# KiCad board ElonMux.kicad_pcb (continued)
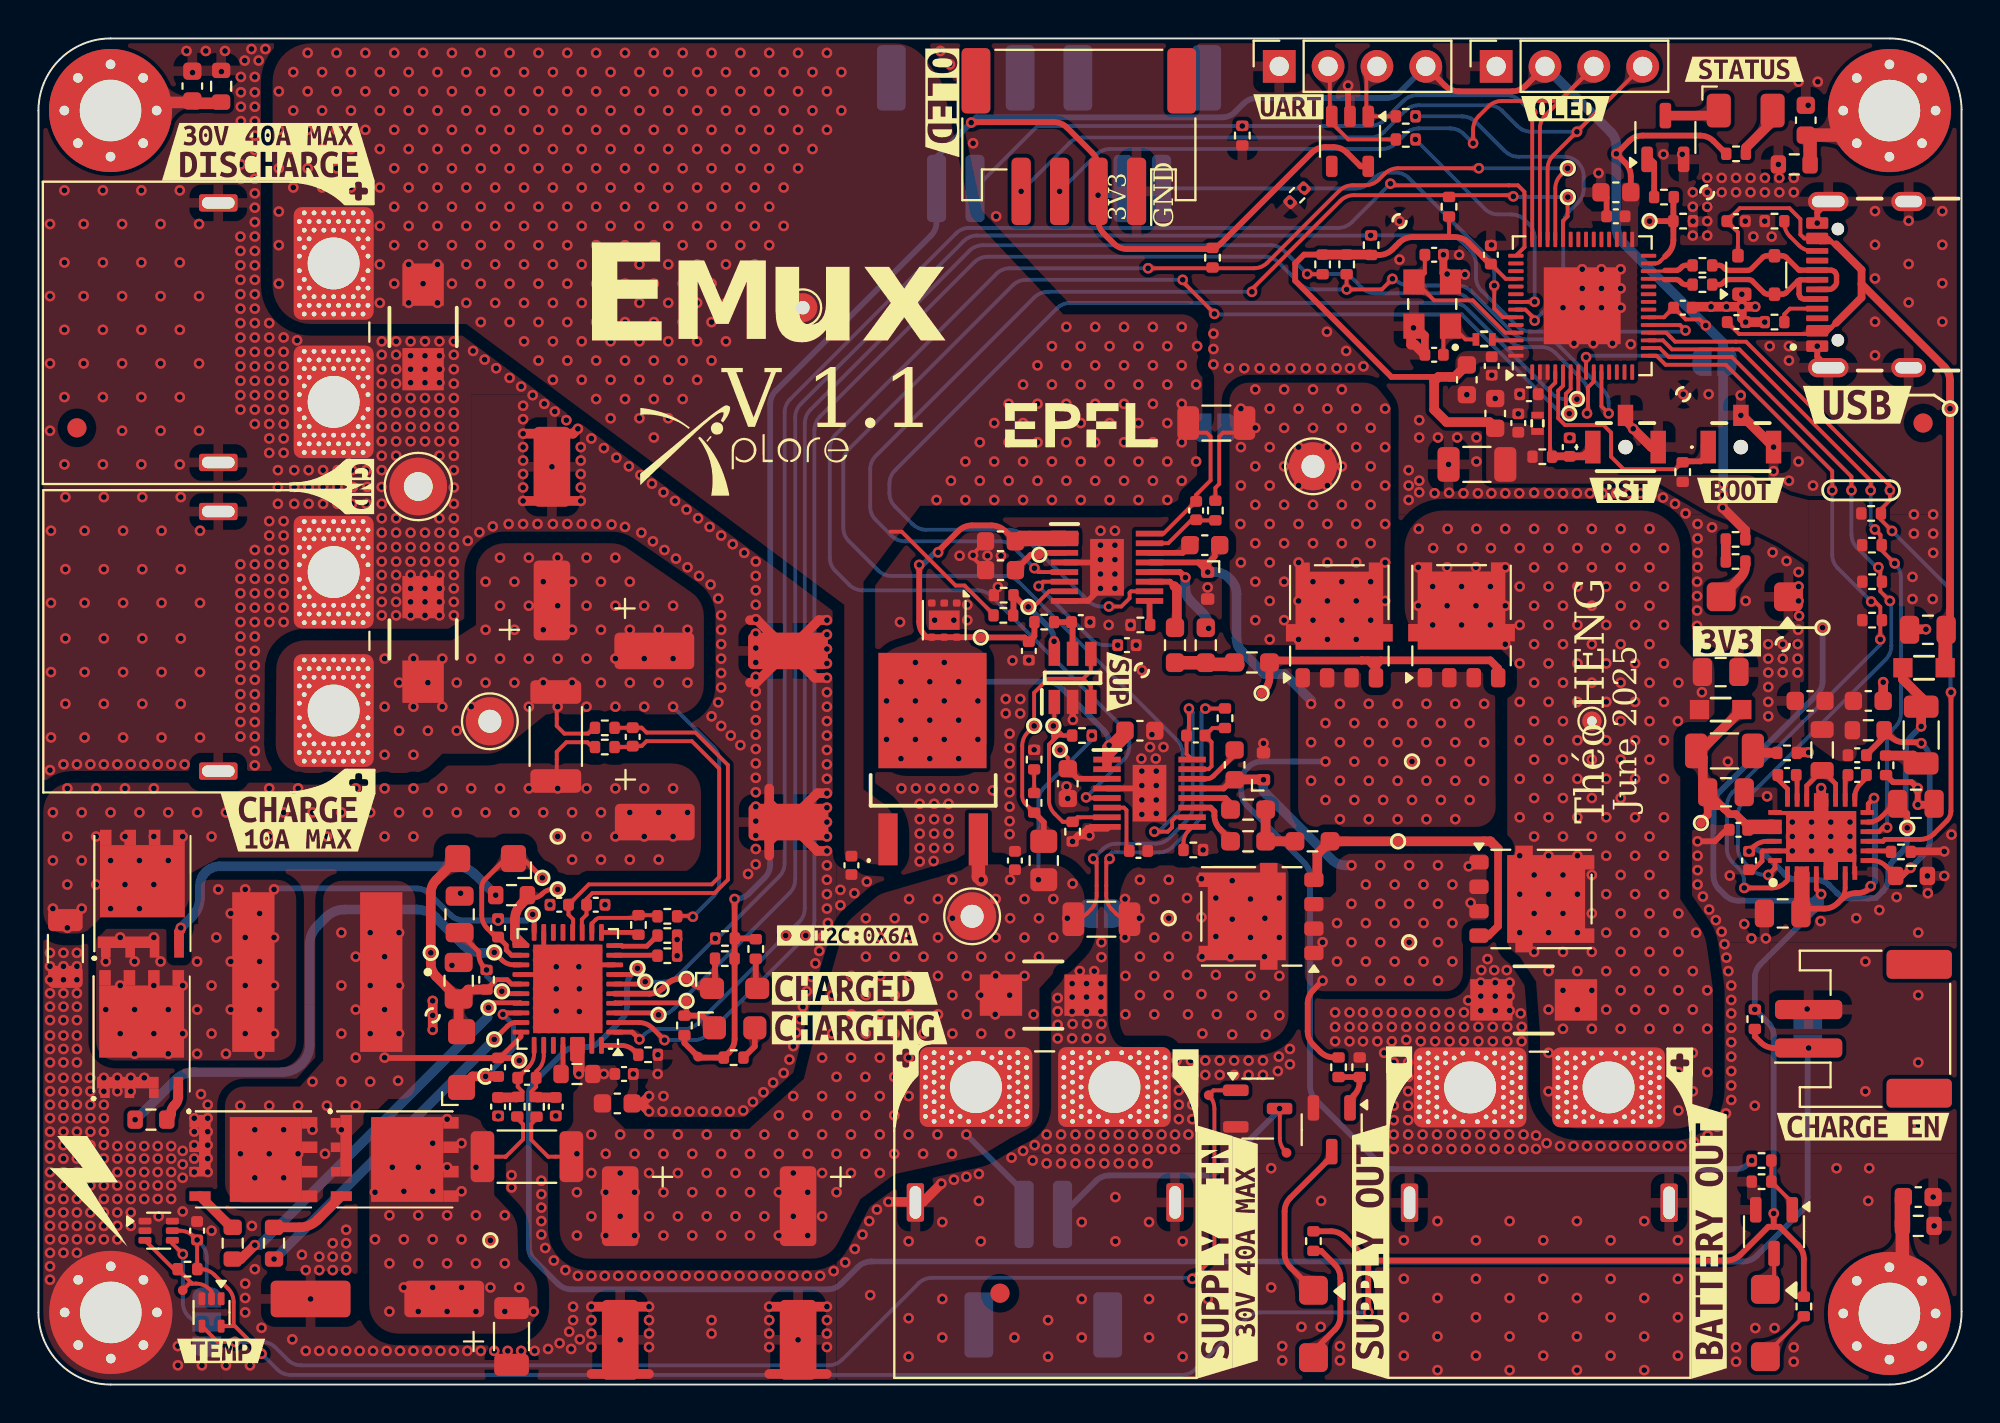
[diagram p0: board, top side]
## Routing (per net, layer and track width the routed paths; a pad name or vN(x,y) marks a point on that pad's centre or on a via; arc(x,y) is an arc through that point) (continued)
  L1 (Sig, PWR) w0.2: R708.2 28.89,34.15 28.59,33.85 27.35,33.85 NT704.1
/Project Architecture/Power - Charger/REGN: length 5
  L1 (Sig, PWR) w0.25: C720.1 22.9,22.5 22.9,22.37 arc(22.98,21.99) 23.19,21.67 v1(23.3,21.56) ; U701.24 24.22,20.33 v1(24.09,20.45)
  L4 (Sig, PWR) w0.25: v1(24.09,20.45) 23.3,21.25 v1(23.3,21.56)
/Project Architecture/Power - Charger/SRN: length 22
  L1 (Sig, PWR) w0.2: 28.25,23.7 28.25,24.19 28.5,24.44 28.5,24.9 ; C716.1 28.5,25.25 28.81,25.56 35.16,25.56 35.85,26.25 35.85,32.22 34.16,33.91 31.62,33.91 31.37,34.16 C712.2 30.89,34.15 R708.1
/Project Architecture/Power - Charger/SRP: length 21.5
  L1 (Sig, PWR) w0.2: 27.56,24.9 27.56,24.44 27.81,24.19 27.81,23.7 ; R707.1 30.85,33.15 C712.1 31.37,33.2 31.62,33.46 33.98,33.46 35.4,32.03 35.4,26.4 35.01,26.01 28.62,26.01 C715.1
/Project Architecture/Power - Charger/STAT1: length 6.4
  L1 (Sig, PWR) w0.25: U701.4 29.99,19.85 33.6,19.85 TP710.1 33.7,19.29 R719.2
  L1 (Sig, PWR) w0.3: LED702.1 34.52,19.18 R719.2
/Project Architecture/Power - Charger/STAT2: length 7.1
  L1 (Sig, PWR) w0.25: 33.72,21.1 33.93,20.89 arc(34.25,20.68) 34.63,20.6 35.03,20.6
  L1 (Sig, PWR) w0.3: U701.5 31.76,20.33 arc(32.14,20.4) 32.47,20.62 32.66,20.81 arc(32.98,21.03) 33.37,21.1 33.72,21.1 ; R720.2 35.18,20.76 35.03,20.6
/Project Architecture/Power - Charger/SW1: length 11.6
  L1 (Sig, PWR) w0.25: 23.98,16.98 25.09,18.09 U701.28 ; 17.7,21.45 17.7,18.85
  L1 (Sig, PWR) w0.3: v1(25,16.85) 24.87,16.98 C710.1 18.02,16.98 v1(18,17)
  L4 (Sig, PWR) w0.25: v1(25,16.85) 25,16.95
  vias: v1(10.5,14.5) v1(10.5,12) v1(11.25,13.25) v1(11.25,10.75) v1(12,14.5) v1(12,12) v1(12.75,13.25) v1(12.75,10.75) v1(13.5,14.5) v1(13.5,12) v1(14.25,15.75) v1(14.25,13.25) v1(14.9,12) v1(15,14.5) v1(15.75,23.5) v1(15.75,20.75) v1(15.75,18.25) v1(15.75,15.75) v1(15.75,13.25) v1(16.5,22.25) v1(16.5,19.5) v1(16.5,17) v1(16.5,14.5) v1(17.25,23.5) v1(17.25,20.75) v1(17.25,18.25) v1(17.25,15.75) v1(18,22.25) v1(18,19.5) v1(18.75,23.5) v1(18.75,20.75) v1(18.75,18.25) v1(18.7,15.8)
/Project Architecture/Power - Charger/SW2: length 15.2
  L1 (Sig, PWR) w0.25: v1(25.7,24.45) 25.78,24.38 U701.18
  L4 (Sig, PWR) w0.3: v1(25.7,24.45) 25.38,24.13 v1(23.9,24.13) 22.13,24.13 arc(21.75,24.21) 21.43,24.42 20.34,25.51 arc(20.02,25.72) 19.64,25.8 12.3,25.8 v1(12.25,25.75)
  vias: v1(3.5,22) v1(3.5,19.5) v1(4.25,23.25) v1(4.25,20.75) v1(4.25,18.25) v1(5,22) v1(5,19.5) v1(5,17.2) v1(6,23.25) v1(6,20.75) v1(6,18.25) v1(6.35,22) v1(6.75,19.5) v1(6.75,17.2) v1(7.5,20.75) v1(7.5,18.25) v1(8.25,22) v1(8.25,19.5) v1(8.25,17.2) v1(9,20.75) v1(9,18.25) v1(9.35,25.75) v1(9.25,23.25) v1(9.75,17.2) v1(10,24.5) v1(10,22) v1(10,19.5) v1(10.75,25.75) v1(10.75,23.25) v1(10.75,20.75) v1(10.75,18.25) v1(11.5,24.5) v1(11.5,22) v1(11.5,19.5) v1(11.5,17.2) v1(12.25,23.25) v1(12.25,20.75) v1(12.25,18.25)
/Project Architecture/Power - Charger/VAC: length 1.5
  L1 (Sig, PWR) w0.25: R712.2 27.28,16.25 U701.32
/Project Architecture/Power - Generation/+VOUT: length 0.2
  L4 (Sig, PWR) w0.2: 77.62,28.65 v1(77.78,28.5)
  vias: v1(71.75,42.5) v1(71.75,40.5) v1(71.78,44.5) v1(72.53,43.5) v1(72.5,41.5) v1(72.5,39.5) v1(73.28,44.5) v1(73.25,42.5) v1(73.25,40.5) v1(74.03,43.5) v1(74,41.5) v1(74,39.5) v1(74.75,42.5) v1(74.75,40.5) v1(74.78,44.5) v1(75.53,43.5) v1(75.5,41.5) v1(75.5,39.5) v1(76.28,44.5) v1(76.28,42.5) v1(76.28,40.5) v1(76.28,38.5) v1(77.03,43.5) v1(77.03,41.5) v1(77.03,39.5) v1(77.03,37.5) v1(77.03,35.5) v1(77.03,33.5) v1(77.03,31.5) v1(77.03,29.5) v1(77.03,27.5) v1(77.03,25.5) v1(77.03,23.5) v1(77.78,44.5) v1(77.78,42.5) v1(77.78,40.5) v1(77.78,38.5) v1(77.78,36.5) v1(77.78,34.5) v1(77.78,32.5) v1(77.78,30.5) v1(77.78,26.5) v1(77.78,24.5) v1(77.78,22.5) v1(78.53,43.5) v1(78.53,41.5) v1(78.53,39.5) v1(78.53,37.5) v1(78.53,35.5) v1(78.53,33.5) v1(78.53,31.5) v1(78.53,29.5) v1(78.53,27.5) v1(78.53,25.5) v1(78.53,23.5) v1(78.53,21.5) v1(78.53,19.5) v1(78.53,17.25) v1(78.53,15.25) v1(79.28,44.5) v1(79.28,42.5) v1(79.28,40.5) v1(79.28,38.5) v1(79.28,36.5) v1(79.28,34.5) v1(79.28,32.5) v1(79.28,30.5) v1(79.28,28.5) v1(79.28,26.5) v1(79.28,24.5) v1(79.28,22.5) v1(79.28,20.5) v1(79.28,18.5) v1(80.03,43.5) v1(80.03,41.5) v1(80.03,39.5) v1(80.03,37.5) v1(80.03,35.5) v1(80.03,33.5) v1(80.03,31.5) v1(80.03,29.5) v1(80.03,27.5) v1(80.03,25.5) v1(80.03,23.5) v1(80.03,21.5) v1(80.03,19.5) v1(80.78,44.5) v1(80.78,42.5) v1(80.78,40.5) v1(80.78,38.5) v1(80.78,36.5) v1(80.78,32.5) v1(80.78,30.5) v1(80.78,28.5) v1(80.78,26.5) v1(80.78,24.5) v1(80.78,22.5) v1(80.78,20.5) v1(80.78,18.5) v1(81.53,43.5) v1(81.53,41.5) v1(81.53,39.5) v1(81.53,37.5) v1(81.53,35.5) v1(81.53,33.5) v1(81.53,31.5) v1(81.53,29.5) v1(81.53,27.5) v1(81.53,25.5) v1(81.53,23.5) v1(81.53,21.5) v1(81.53,19.5) v1(82.28,44.5) v1(82.28,42.5) v1(82.28,40.5) v1(82.28,38.5) v1(82.28,36.5) v1(82.28,34.5) v1(82.28,32.5) v1(82.28,30.5) v1(82.28,28.5) v1(82.28,26.5) v1(82.28,24.5) v1(82.28,22.5) v1(82.28,20.5) v1(82.28,18.5) v1(83.03,43.5) v1(83.03,41.5) v1(83.03,39.5) v1(83.03,37.5) v1(83.03,35.5) v1(83.03,33.5) v1(83.03,31.5) v1(83.03,29.5) v1(83.03,27.5) v1(83.03,25.5) v1(83.03,23.5) v1(83.03,21.5) v1(83.03,19.5) v1(83.78,44.5) v1(83.78,42.5) v1(83.78,40.5) v1(83.78,38.5) v1(83.78,36.5) v1(83.78,34.5) v1(83.78,32.5) v1(83.78,28.5) v1(83.78,26.5) v1(83.78,24.5) v1(83.78,22.5) v1(83.78,20.5) v1(83.78,18.5) v1(84.53,43.5) v1(84.53,41.5) v1(84.53,39.5) v1(84.53,37.5) v1(84.53,35.5) v1(84.53,33.5) v1(84.53,31.5) v1(84.53,29.5) v1(84.53,27.5) v1(84.53,25.5) v1(84.53,23.5) v1(84.53,21.5) v1(84.53,19.5) v1(85.28,36.5) v1(85.25,34.5) v1(85.28,24.5) v1(85.28,22.5) v1(85.28,20.5) v1(85.28,18.5) v1(85.28,16.25) v1(85.28,14.25) v1(86.03,21.5) v1(86.03,19.5) v1(86.03,17.25) v1(86.03,15.25) v1(86.2,23.5) v1(86.5,36) v1(86.78,20.5) v1(86.78,18.5) v1(86.78,16.25)
/Project Architecture/Power - Generation/BST1: length 1.5
  L1 (Sig, PWR) w0.25: IC601.22 90.95,30.98 90.44,31.48 90.44,31.7
/Project Architecture/Power - Generation/BST2: length 1.5
  L1 (Sig, PWR) w0.25: IC601.15 94.45,30.54 arc(94.53,30.92) 94.74,31.24 95.06,31.56 95.06,31.7
/Project Architecture/Power - Generation/COM1: length 1.3
  L1 (Sig, PWR) w0.25: C601.1 91.45,31.66 IC601.21
/Project Architecture/Power - Generation/COM2: length 1.4
  L1 (Sig, PWR) w0.25: IC601.16 93.95,31.56 C602.1
/Project Architecture/Power - Generation/FB_3v3: length 13.7
  L1 (Sig, PWR) w0.25: R609.1 96.07,26.96 arc(95.74,27.17) 95.36,27.25 IC601.9
  L1 (Sig, PWR) w0.3: 97.83,33.28 v1(97.91,33.35) 97.86,33.4 97.01,33.4 arc(96.63,33.48) 96.31,33.69 R607.2 95.97,33.68 95.06,32.76 95.06,32.73 ; R609.1 96.93,26.45 v1(97.35,26.88)
  L4 (Sig, PWR) w0.3: v1(97.91,33.35) 98.06,33.2 arc(98.27,32.88) 98.35,32.49 98.35,28.29 arc(98.27,27.91) 98.06,27.58 v1(97.35,26.88)
/Project Architecture/Power - Generation/RT_G: length 1.3
  L1 (Sig, PWR) w0.25: R611.1 96.29,27.75 IC601.10
/Project Architecture/Power - Generation/SW_3V3: length 3.7
  L1 (Sig, PWR) w0.25: IC601.20 91.95,31.14 L601.1 93.45,31.24 IC601.17
/Project Architecture/Power - Power Path/+VSUPPLY_O: length 2.1
  L1 (Sig, PWR) w0.2: 56.82,24.2 56.74,24.2 arc(56.36,24.28) 56.03,24.49 55.82,24.71 arc(55.6,25.03) 55.53,25.41 NT802.1
  vias: v1(56.5,25.25) v1(56.5,23.25) v1(56.53,21.25) v1(56.53,19.25) v1(57.28,26.25) v1(57.25,24.25) v1(57.28,22.25) v1(57.28,20.25) v1(58.03,25.25) v1(58.03,23.25) v1(58.03,21.25) v1(58.03,19.25) v1(58.78,26.25) v1(58.78,24.25) v1(58.78,22.25) v1(58.78,20.25) v1(59.72,25.3) v1(59.72,23.3) v1(59.72,21.3) v1(59.78,19.25) v1(60.47,26.3) v1(60.47,24.3) v1(60.5,22.25) v1(60.47,20.3) v1(60.53,18.25) v1(61.22,25.3) v1(61.22,23.3) v1(61.22,21.3) v1(61.28,19.25) v1(62,22.25) v1(62.07,26.2) v1(62.07,24.2) v1(62.07,20.2) v1(62.07,18.2) v1(63.03,25.25) v1(63.03,23.25) v1(63.03,21.25) v1(63.07,19.2) v1(63.75,22.25) v1(63.78,24.25) v1(63.78,20.25) v1(63.82,18.2) v1(64.53,25.3) v1(64.53,23.25) v1(64.53,21.25) v1(64.53,19.2)
/Project Architecture/Power - Power Path/BST_D1: length 3
  L1 (Sig, PWR) w0.25: IC801.14 60.74,31.5 arc(60.94,31.54) 61.1,31.65 62.2,32.75 C815.1
/Project Architecture/Power - Power Path/BST_D2: length 2.7
  L1 (Sig, PWR) w0.3: 57.78,43.25 59.5,43.25 60.2,43.95
/Project Architecture/Power - Power Path/GATE1: length 16.6
  L1 (Sig, PWR) w0.4: Q803.4 75.41,23.35 75.9,23.84 75.9,27.85
  L1 (Sig, PWR) w0.5: 66.47,26.25 Q802.4 66.5,26.43 66.5,27.59 R803.1 TP805.1 75.5,28.25 75.9,27.85
/Project Architecture/Power - Power Path/GATE2: length 16.8
  L1 (Sig, PWR) w0.4: 68.8,37.65 68.81,37.66 69.81,37.66 ; 68.8,37.65 64.11,37.65 R809.1 64.01,36.78 arc(63.94,36.39) 63.72,36.07 TP807.1 ; 68.8,37.65 69.15,37.65 69.55,37.25 Q804.4 69.55,37.4 69.81,37.66 ; 69.81,37.66 75.49,37.66 75.91,37.25 Q805.4
/Project Architecture/Power - Power Path/INX: length 14.1
  L1 (Sig, PWR) w0.2: IC803.3 54.72,36.3 54.32,36.7 ; 54.32,36.7 52.5,36.7 51.78,35.98 v1(51.78,34.25) 51.45,33.92 arc(51.23,33.6) 51.16,33.22 51.16,30.61 arc(51.2,30.38) 51.33,30.18 R821.1 ; 54.32,36.7 54.72,37.1 IC803.4
  L1 (Sig, PWR) w0.3: R811.2 52.28,29.24 R821.1
  L4 (Sig, PWR) w0.3: 51.75,34.25 v1(51.78,34.25)
/Project Architecture/Power - Power Path/ISET1: length 1.3
  L1 (Sig, PWR) w0.2: R825.1 59.54,28.14 arc(59.62,28.52) 59.83,28.85 IC801.9
/Project Architecture/Power - Power Path/ISET2: length 1.3
  L1 (Sig, PWR) w0.3: R826.1 57.78,39.54 57.78,40.75
/Project Architecture/Power - Power Path/LED_BAT: length 3
  L1 (Sig, PWR) w0.2: Q806.1 91.2,9.46 R810.1 R808.2
/Project Architecture/Power - Power Path/LED_S1: length 2.6
  L1 (Sig, PWR) w0.3: R802.2 R804.1 68.7,15.76 arc(68.63,15.37) 68.41,15.05 68.2,14.84 68.2,14.64
/Project Architecture/Power - Power Path/OUTA: length 12.3
  L1 (Sig, PWR) w0.2: 53.03,34 53.28,33.75 R813.2 53.03,33.75 ; 53.03,34 52.78,33.75 ; 53.03,34 53.03,33.75 ; 53.03,34 v1(52.78,34.25) ; IC801.7 54.03,29.5 53.78,29.25 53.53,29.25 53.53,29.26 53.26,29.26 52.84,29.69 arc(52.62,30.01) 52.54,30.39 52.54,33.27 ; 52.54,33.27 52.78,33.5 52.78,33.75 ; 52.54,33.27 53.03,33.75 ; 52.82,35.5 52.82,34.3 v1(52.78,34.25) ; 52.78,33.75 v1(52.78,34.25)
  L4 (Sig, PWR) w0.3: v1(52.78,34.25) 52.7,34.25
/Project Architecture/Power - Power Path/OUTB: length 7.3
  L1 (Sig, PWR) w0.2: IC802.7 52.55,41.25 51.74,40.44 v1(51.47,40.44)
  L1 (Sig, PWR) w0.3: 52.82,38 52.82,38.64 v1(52.81,38.65) ; R814.2 50.7,40.02 R824.1 51.31,40.44 TP804.1
  L4 (Sig, PWR) w0.2: v1(51.47,40.44) 51.53,40.5
  L4 (Sig, PWR) w0.3: v1(51.47,40.44) 52.52,39.39 arc(52.74,39.06) 52.81,38.68 v1(52.81,38.65)
/Project Architecture/Power - Power Path/shunt_bat+: length 7.1
  L1 (Sig, PWR) w0.2: NT805.2 60.95,49.3 60.95,47.02 60.2,46.27 C803.2 60.18,45.93 58.5,44.25 57.78,44.25
/Project Architecture/Power - Power Path/shunt_bat-: length 3.7
  L1 (Sig, PWR) w0.2: NT806.2 61.4,49.3 61.4,46.83 61.2,46.63 R816.2
/Project Architecture/Power - Power Path/shunt_supply+: length 15.9
  L1 (Sig, PWR) w0.2: NT801.2 55.03,27.17 v1(54.85,27.35) ; v1(59.82,35.15) 59.82,33.88 C802.2 59.7,32.79 IC801.16
  L4 (Sig, PWR) w0.2: v1(59.82,35.15) 60.02,34.95 60.03,30.06 arc(59.95,29.67) 59.73,29.35 58.8,28.42 arc(58.48,28.2) 58.09,28.13 56.04,28.13 arc(55.66,28.05) 55.34,27.83 v1(54.85,27.35)
/Project Architecture/Power - Power Path/shunt_supply-: length 14
  L1 (Sig, PWR) w0.2: v1(60.68,35.15) 61.69,35.15 R815.2 ; v1(55.7,27.35) 55.53,27.17 NT802.2
  L4 (Sig, PWR) w0.2: v1(60.68,35.15) 60.48,34.95 60.47,29.87 arc(60.4,29.49) 60.18,29.16 58.99,27.97 arc(58.66,27.75) 58.28,27.68 55.82,27.68 55.7,27.56 v1(55.7,27.35)
/Project Architecture/Power - Power Path/SNS1-: length 4
  L1 (Sig, PWR) w0.2: R815.1 61.05,34.14 C802.1 61,33.41 61,32.15 60.85,32 IC801.15
/Project Architecture/Power - Power Path/SNS2-: length 3.9
  L1 (Sig, PWR) w0.2: 57.78,43.75 58.75,43.75 59.97,44.97 C803.1 60.23,44.94 R816.1
/Project Architecture/Power - Power Path/SOURCE1: length 10.2
  L1 (Sig, PWR) w0.3: R802.1 67.36,17.01 arc(66.98,17.09) 66.65,17.3 66.29,17.66 arc(66.08,17.99) 66,18.37 66,19.81 arc(66.08,20.19) 66.29,20.52 v1(66.78,21)
  L4 (Sig, PWR) w0.5: v1(68.28,27) 67.96,27 arc(67.58,27.08) 67.26,27.29 NT803.2
  vias: v1(66.78,23) v1(67.53,24) v1(67.53,22) v1(68.28,25) v1(68.28,23) v1(68.28,21) v1(69.03,26) v1(69.03,24) v1(69.03,22) v1(69.78,27) v1(69.78,25) v1(69.78,23) v1(69.78,21) v1(70.53,26) v1(70.53,24) v1(70.53,22) v1(71.28,27) v1(71.28,25) v1(71.28,23) v1(71.28,21) v1(72.03,26) v1(72.03,24) v1(72.03,22) v1(72.78,27) v1(72.78,25) v1(72.78,23) v1(72.78,21) v1(73.53,26) v1(73.53,24) v1(73.53,22) v1(74.38,26.95) v1(74.47,25.05)
/Project Architecture/Power - Power Path/SOURCE2: length 49.4
  L4 (Sig, PWR) w0.3: v1(89.09,11.65) 88.93,11.49 arc(88.61,11.28) 88.23,11.2 70.44,11.2 arc(70.06,11.28) 69.73,11.49 66.42,14.81 arc(66.2,15.13) 66.12,15.51 66.12,26.41 arc(66.05,26.79) 65.83,27.12 62.84,30.11 arc(62.63,30.43) 62.55,30.81 62.55,31.34 arc(62.63,31.72) 62.84,32.04 62.91,32.11 arc(63.23,32.32) 63.61,32.4 v1(66.93,32.4)
  L4 (Sig, PWR) w0.5: NT804.2 64.8,36.95 66.18,35.58 v1(66.18,35.4)
  vias: v1(66.18,33.4) v1(66.18,31.4) v1(66.93,34.4) v1(66.93,30.4) v1(67.68,35.4) v1(67.68,33.4) v1(67.68,31.4) v1(67.68,29.4) v1(68.43,34.4) v1(68.43,32.4) v1(68.43,30.4) v1(69.18,35.4) v1(69.18,33.4) v1(69.18,31.4) v1(69.18,29.4) v1(69.93,34.4) v1(69.93,32.4) v1(69.93,30.4) v1(70.68,35.4) v1(70.68,33.4) v1(70.68,31.4) v1(70.68,29.4) v1(71.43,34.4) v1(71.43,32.4) v1(71.43,30.4) v1(72.18,35.4) v1(72.18,33.4) v1(72.18,31.4) v1(72.18,29.4) v1(72.93,34.4) v1(72.93,32.4) v1(72.93,30.4) v1(73.68,35.4) v1(73.68,33.4) v1(73.68,31.4) v1(73.68,29.4) v1(74.43,34.4) v1(74.43,32.4) v1(74.43,30.4) v1(75.18,35.4) v1(75.18,33.4) v1(75.18,31.4)
/Project Architecture/Power - Power Path/TG1: length 3.4
  L1 (Sig, PWR) w0.5: 63.81,30.15 R819.2 R803.2
/Project Architecture/Power - Power Path/TG2: length 3.3
  L1 (Sig, PWR) w0.7: 62.38,37.45 60.99,37.45 60.9,37.54 R820.2
/Project Architecture/Power - Power Path/TGDN1: length 3.1
  L1 (Sig, PWR) w0.3: IC801.11 60.95,30 61.15,29.8 61.15,29.59 arc(61.23,29.21) 61.44,28.88 62.07,28.25
/Project Architecture/Power - Power Path/TGDN2: length 3.6
  L1 (Sig, PWR) w0.3: 57.78,41.75 58.84,41.75 59.07,41.52
  L1 (Sig, PWR) w0.5: 59.07,41.52 59.2,41.39 59.2,39.33
/Project Architecture/Power - Power Path/TGUP1: length 2.2
  L1 (Sig, PWR) w0.3: IC801.12 61.72,30.5 62.07,30.15
/Project Architecture/Power - Power Path/TGUP2: length 5
  L1 (Sig, PWR) w0.3: v1(59.64,41.97) 59.36,42.25 57.78,42.25
  L4 (Sig, PWR) w0.5: v1(59.64,41.97) 59.64,41.43 arc(59.72,41.05) 59.93,40.72 60.56,40.1 arc(60.77,39.78) 60.85,39.4 v1(60.85,39.33)
/Project Architecture/Power - Power Path/TS1: length 4.7
  L1 (Sig, PWR) w0.3: IC801.13 61.63,31 62.1,31.47
  L1 (Sig, PWR) w0.5: 62.1,31.47 63.58,31.47 63.6,31.45 v1(63.7,31.45)
  L4 (Sig, PWR) w0.5: NT803.1 63.7,30.85 v1(63.7,31.45)
/Project Architecture/Power - Power Path/TS2: length 12.5
  L1 (Sig, PWR) w0.3: 61.16,43.95 61.16,43.06 60.85,42.75 ; 60.85,42.75 60.85,42.3 v1(60.8,42.25) 60.3,42.75 ; 60.85,42.75 60.3,42.75 ; 60.3,42.75 57.78,42.75
  L4 (Sig, PWR) w0.5: v1(60.8,42.25) 61.18,42.25 arc(61.56,42.17) 61.88,41.96 62.01,41.83 arc(62.22,41.51) 62.3,41.13 62.3,38.81 arc(62.38,38.43) 62.59,38.11 NT804.1
/Project Architecture/Sensing - Fan Controller/FAN-: length 15.9
  L1 (Sig, PWR) w0.2: TP1004.1 64.84,12.11 arc(64.63,12.43) 64.55,12.81 64.55,14.34 v1(64.54,14.35)
  L4 (Sig, PWR) w0.3: J901.1 54.98,10.58 arc(55.31,10.8) 55.69,10.87 60.71,10.87 arc(61.09,10.95) 61.42,11.17 64.39,14.14 64.39,14.2 v1(64.54,14.35)
/Project Architecture/Sensing - Fan Controller/FAN_GATE: length 65.7
  L1 (Sig, PWR) w0.2: U901.4 9.32,2.22 v1(10.22,2.22) ; 62.05,15.2 62.11,15.2 ; v1(60,5.5) 60.86,6.36 arc(61.07,6.68) 61.15,7.06 61.15,14.34 arc(61.07,14.72) 60.86,15.05 TP1003.1 61.1,15.3 Q901.1
  L4 (Sig, PWR) w0.2: v1(10.22,2.22) 11.62,2.22 arc(12,2.14) 12.32,1.93 12.96,1.29 arc(13.28,1.08) 13.66,1 41.09,1 arc(41.47,1.08) 41.79,1.29 45.76,5.26 arc(46.08,5.47) 46.46,5.55 59.95,5.55 v1(60,5.5)
/Project Architecture/Sensing - Fan Controller/FAN_OUT: length 5.5
  L1 (Sig, PWR) w0.2: U901.2 9,4.85 8.89,4.96 arc(8.57,5.17) 8.19,5.25 7.99,5.25 ; IC901.3 7.04,6 R901.2 7.99,5.25 ; 7.99,5.25 7.85,5.25 TP1005.1
/Project Architecture/Sensing - Fan Controller/HYSTSET: length 5.3
  L1 (Sig, PWR) w0.2: v1(7.51,6.78) 6.96,7.33 IC901.4
  L4 (Sig, PWR) w0.2: v1(7.51,6.78) 7.51,4.26 arc(7.58,3.87) 7.8,3.55 7.81,3.54 arc(8.13,3.33) 8.51,3.25 JP901.2
/Project Architecture/User - LED Indicators/LED_D0: length 2.2
  L1 (Sig, PWR) w0.3: Q1101.1 83.84,63.71 84.01,63.54 R1102.1
/Project Architecture/User - LED Indicators/LED_D1: length 2.9
  L1 (Sig, PWR) w0.5: LED1101.1 87.11,65.99 Q1101.3
/Project Architecture/User - LED Indicators/LED_D2: length 2.8
  L1 (Sig, PWR) w0.5: R1101.2 88.78,64.31 90.18,65.7 LED1101.2
Net-(C604-Pad2): length 1.1
  L1 (Sig, PWR) w0.5: 89.3,32.85 R601.2
Net-(C611-Pad2): length 2
  L1 (Sig, PWR) w0.5: C611.2 97.49,32.71 R610.2
Net-(IC801-TIMER): length 3.2
  L1 (Sig, PWR) w0.2: IC801.6 56.45,30 56.58,29.87 56.58,27.89 C806.1
Net-(IC802-TIMER): length 6.8
  L1 (Sig, PWR) w0.2: v1(52.01,41.52) 52.24,41.75 IC802.6
  L4 (Sig, PWR) w0.2: v1(52.01,41.52) 52.01,41.51 54.77,38.74 arc(55.1,38.53) 55.48,38.45 v1(56.12,38.45)
Net-(IC803-VDD): length 2.6
  L1 (Sig, PWR) w0.3: R812.2 C801.2 53.78,39.6 IC803.5
Net-(LED601-A): length 2.3
  L1 (Sig, PWR) w0.5: LED601.2 88.47,41.93 arc(88.68,42.26) 88.76,42.64 R608.2
Net-(LED801-A): length 6.9
  L1 (Sig, PWR) w0.3: LED801.2 66.3,1.74 67.41,2.85 arc(67.62,3.17) 67.7,3.55 67.7,5.54 arc(67.62,5.92) 67.41,6.24 66.7,6.95 R801.2
Net-(LED801-K): length 9
  L1 (Sig, PWR) w0.3: 67.25,12.36 67.25,12.28 arc(67.17,11.89) 66.96,11.57 65.09,9.71 arc(64.88,9.38) 64.8,9 64.8,6.81 arc(64.88,6.43) 65.09,6.11 LED801.1
Net-(LED802-A): length 2.9
  L1 (Sig, PWR) w0.2: LED802.2 89.8,1.55 R806.2
Net-(LED802-K): length 2
  L1 (Sig, PWR) w0.2: Q806.3 90.25,5.4 LED802.1
Net-(R602-Pad2): length 1.2
  L1 (Sig, PWR) w0.5: R608.1 R602.2
Net-(R821-Pad2): length 1.2
  L1 (Sig, PWR) w0.2: R821.2 R822.1

## Copper pours and planes (outline as drawn; the poured copper is in the pictures)
+3V3 on L1 (Sig, PWR): 82.78,59.15 82.78,60.25 82.22,60.25 82.22,61.08 82.32,61.08 82.32,62.5 83.25,62.5 83.25,61.38 83.18,61.2 83.18,59.15
+3V3 on L1 (Sig, PWR): 78.38,48 78.9,47.6 81.85,47.6 82.2,47.3 88.97,47.3 89.56,47.06 91.07,46.25 92.03,46 92.03,42.75 90.53,43.75 89.03,44.5 87.03,45.25 84.28,46.85 75.53,46.85 75.28,47 75.28,50 75.53,50.25 76.03,50.25 76.53,50 77.28,50 77.78,49.75 78.38,49.75
+3V3 on L1 (Sig, PWR): 77.53,53.25 76.03,53 74.78,53 74.53,52.5 73.68,52.5 73.68,53.75 76.03,53.75 76.43,54 77.53,54
+3V3 on L1 (Sig, PWR): 92.03,33.5 93.55,32.4 94.55,32.4 94.55,33.25 95.1,33.25 95.1,45.18 95.03,46 92.03,46
/Project Architecture/MCU - Unit/VDD3P3 on L1 (Sig, PWR): 77.7,50.18 77.7,51.75 77.97,52.09 78,53.05 78.6,53.05 78.6,52.25 78.4,51.94 78.4,50.18
/Project Architecture/Power - Power Path/+VBAT on L1 (Sig, PWR): 60.53,54.75 60.53,47.1 59.03,45.7 45.85,45.7 42.9,41.75 42.9,30.95 44.68,29.7 44.68,27.35 44.32,27 42.07,27.15 41.9,27.55 41.9,40.55 22.25,55.15 12.17,55.15 12.17,69.75 45.5,69.75 47,67.75 48.5,60.75 53.3,55.65 60,55.65
/Project Architecture/Power - Power Path/+VBAT on L4 (Sig, PWR): 12.15,55.15 12.17,69.75 43.95,69.75 32.55,47.5 22.25,55.15
/Project Architecture/Power - Power Path/+VBAT on L4 (Sig, PWR): 45.85,45.7 59.03,45.7 60.53,47.1 60.53,54.75 60,55.65 53.3,55.65
/Project Architecture/Power - Power Path/+VBAT_O on L1 (Sig, PWR), L4 (Sig, PWR): 70.32,50.95 69.43,52.1 61.93,52.1 61.95,38.45 70.3,38.45
/Project Architecture/Power - Power Path/VDD on L1 (Sig, PWR), L4 (Sig, PWR): 49.3,32.05 49.3,38.05 48.5,38.45 48.21,38.95 45.9,38.95 45.6,38.65 43.7,38.05 43.7,32.05
GND on L1 (Sig, PWR): 91,59.25 91,60.95 88.4,60.95 88.4,59.25
GND on L1 (Sig, PWR): 77.5,50.25 77.5,52.95 75,52.95 73.6,52.05 72.7,51.15 73.5,50.25
GND on L1 (Sig, PWR), L4 (Sig, PWR), L2 (GND), L3 (GND): 69,23 69,45.25 100.5,45.25 100.5,23
GND on L1 (Sig, PWR), L4 (Sig, PWR), L2 (GND), L3 (GND): 90,12 90,23 100.5,23 100.5,12
GND on L1 (Sig, PWR), L4 (Sig, PWR), L2 (GND), L3 (GND): 9.5,-0.25 9.5,10.5 41.5,10.5 41.49,-0.23
GND on L1 (Sig, PWR), L4 (Sig, PWR), L2 (GND), L3 (GND): 22.5,51.5 22.5,38 12.25,38 12.25,70 41.5,70 41.5,51.5
GND on L1 (Sig, PWR), L4 (Sig, PWR), L2 (GND), L3 (GND): 41.5,45.25 41.5,70 100.5,70 100.5,45.25
GND on L1 (Sig, PWR), L4 (Sig, PWR), L2 (GND), L3 (GND): 19.5,10.5 19.5,19.75 10.25,19.75 10.25,38 22.5,38 22.5,51.5 41.5,51.5 41.5,10.5
GND on L1 (Sig, PWR), L4 (Sig, PWR), L2 (GND), L3 (GND): 41.5,23 41.5,45.25 69,45.25 69,23
GND on L1 (Sig, PWR), L4 (Sig, PWR), L2 (GND), L3 (GND): 9.5,-0.25 0,-0.25 0,30.75 10.25,30.75 10.25,19.75 19.5,19.75 19.5,10.5 9.5,10.5
GND on L1 (Sig, PWR), L4 (Sig, PWR), L2 (GND), L3 (GND): 41.5,-0.25 41.5,12 100.5,12 100.53,-0.25
GND on L1 (Sig, PWR), L4 (Sig, PWR), L2 (GND), L3 (GND): 41.5,12 41.5,23 90,23 90,12
GND on L1 (Sig, PWR), L4 (Sig, PWR), L2 (GND), L3 (GND): 0,30.75 0,70 12.25,70 12.25,30.75
+VCHARGE on L1 (Sig, PWR), L4 (Sig, PWR): 0.25,23.45 2.5,23.45 3.25,24.3 7.85,24.3 7.85,26.55 9.4,27.4 25.6,27.4 26.05,27 26.05,26.5 34.45,26.5 34.45,32.3 21.25,32.3 20.25,31.3 0.25,31.3
+VSUPPLY on L1 (Sig, PWR), L4 (Sig, PWR): 49.1,11.95 50.6,12.85 52.05,13.6 52.05,20.6 53.15,21.8 54.4,23.05 54.4,25.75 53.32,27.05 48.4,27.05 48,26.75 43.72,25.5 41.97,24 40.8,19.95 39.8,15.9 36.95,13.3 30.5,13.3 29.8,14 29.8,15 30.2,15.55 30.2,16.6 27.8,16.6 27.8,13.75 27.1,13.25 27.1,6.55 41.15,6.55 42.75,9.65 44.55,10.95
+VSUPPLY_C on L1 (Sig, PWR), L4 (Sig, PWR): 23.7,13.25 22.5,14.05 17.2,14.05 17.2,2.65 25.95,2.65 25.95,5.5 24.95,6.5 24.9,8.6 23.7,9.85
/Project Architecture/Power - Charger/+VCHARGE_O on L1 (Sig, PWR), L4 (Sig, PWR): 12.38,38.7 21.5,38.7 22.75,39.5 22.75,43.75 30.25,43.75 34.6,40.75 34.6,34.85 26.4,34.85 23.85,32.8 21,32.8 20,31.8 12.33,31.8
/Project Architecture/Power - Charger/SW1 on L1 (Sig, PWR), L4 (Sig, PWR): 9.7,9.45 16.3,9.45 16.3,12.95 18.2,14.85 19.6,14.85 19.6,26.2 14.8,26.2 14.8,16.85 13.6,15.5 9.7,15.5
/Project Architecture/Power - Charger/SW2 on L1 (Sig, PWR), L4 (Sig, PWR): 8.3,26.25 13.4,26.25 13.4,16.85 3,16.85 3,23.95 8.3,23.95
/Project Architecture/Power - Generation/+VOUT on L1 (Sig, PWR), L4 (Sig, PWR): 77.03,22.25 77.88,20.95 78.07,18.35 78.07,13.33 87.07,13.3 87.07,20.55 86.68,23.35 85.38,25.25 85.38,34 85.82,34.2 86.78,34.2 87.15,34.4 87.15,37.25 87.03,37.8 86,37.8 85.38,38.5 85.38,45.45 71.03,45.45 71.05,38.45 75.55,38.45 76.38,37.8 76.62,37.48 76.62,36.25 76.38,35.88 76.38,22.75
/Project Architecture/Power - Power Path/+VSUPPLY_O on L1 (Sig, PWR), L4 (Sig, PWR): 56.22,18.5 56.78,17.75 64.03,17.75 65,18.6 65,26.85 64.5,27.15 63.5,27.15 63.4,27 56.78,27 56.22,25.65
/Project Architecture/Power - Power Path/SOURCE1 on L1 (Sig, PWR), L4 (Sig, PWR): 65.85,25.15 66.38,25.35 67.18,25.35 67.47,25.65 67.47,27.15 68.07,27.65 75.2,27.65 75.47,27.45 75.47,24.25 75.3,24.15 74.56,24.15 74.07,23.75 74.07,21.05 73.57,20.45 66.47,20.45 65.85,20.95
/Project Architecture/Power - Power Path/SOURCE2 on L1 (Sig, PWR), L4 (Sig, PWR): 75.3,37.45 75.3,36.25 75.75,35.95 75.78,29 65.5,29 65.5,37.45

Small or netless copper shapes (teardrops, artwork), in the pictures only: 475 on L1 (Sig, PWR), 131 on L4 (Sig, PWR)

## Text on the board
L4 (Sig, PWR): L4 (Sig, PWR)(Scale 1:1)
B.Mask: Pain and suffering, that's all it was.
B.Silkscreen: HYST | 10° | 5° | GND | TX | RX | 3V3 | SCL | SDA | June 2025 | Théo HENG | V 1.1 | M | E  ux
User.Comments: PCB3D_BR_ElonMux | PCB3D_TL_ElonMux
Title Page Text: Top View | Bottom View
L1 (Sig, PWR): L1 (Sig, PWR)(Scale 1:1)
F.Silkscreen: 3V3 | GND | June 2025 | Théo HENG | V 1.1 | M | E  ux
L2 (GND): L2 (GND)(Scale 1:1)
L3 (GND): L3 (GND)(Scale 1:1)
Drill Map: 264 / 480 / 2413 / 33 / 12 (slot) / 1 / 10 / 8 / 4 / 5 | 0.25mm / 0.25mm / 0.30mm / 0.50mm / 0.60mm / 0.7mm / 1.0mm / 2.7mm / 3.2mm / 0.65-75mm | Plated / Plated / Plated / Plated / Plated / Plated / Plated / Plated / Plated / Unplated | Symbol | Count | Hole Size | Plated | Drill Drawing (Top View) (Scale 1:1)
F.Assembly Text: THT / SMD / Total | 5 / 194 / 199 | 0 / 0 / 0 | Type | Front Side | Back Side | Total | ASSEMBLY NOTES (UNLESS OTHERWISE SPECIFIED) / 1) 	DO NOT POPULATE PARTS ARE MARKED WITH A RED CROSS. / 2) 	DO NOT POPULATE PARTS ARE NOT PRESENT IN THE BOM. / 3)	IF CONFLICTING INFORMATION IS FOUND BETWEEN THE / ASSEMBLY FILE AND BOM, BOM SHOULD BE USED AS THE / MAIN SOURCE. | Components | Top Assembly (Scale 1:1)
B.Assembly Text: Bottom Assembly (Scale 1:1)
